# KiCad board EPSM-Famicom-rounded.kicad_pcb
title: EPSM Expansion Audio FC; date: 2023-01-01; rev: B; company: Perkka; Persune
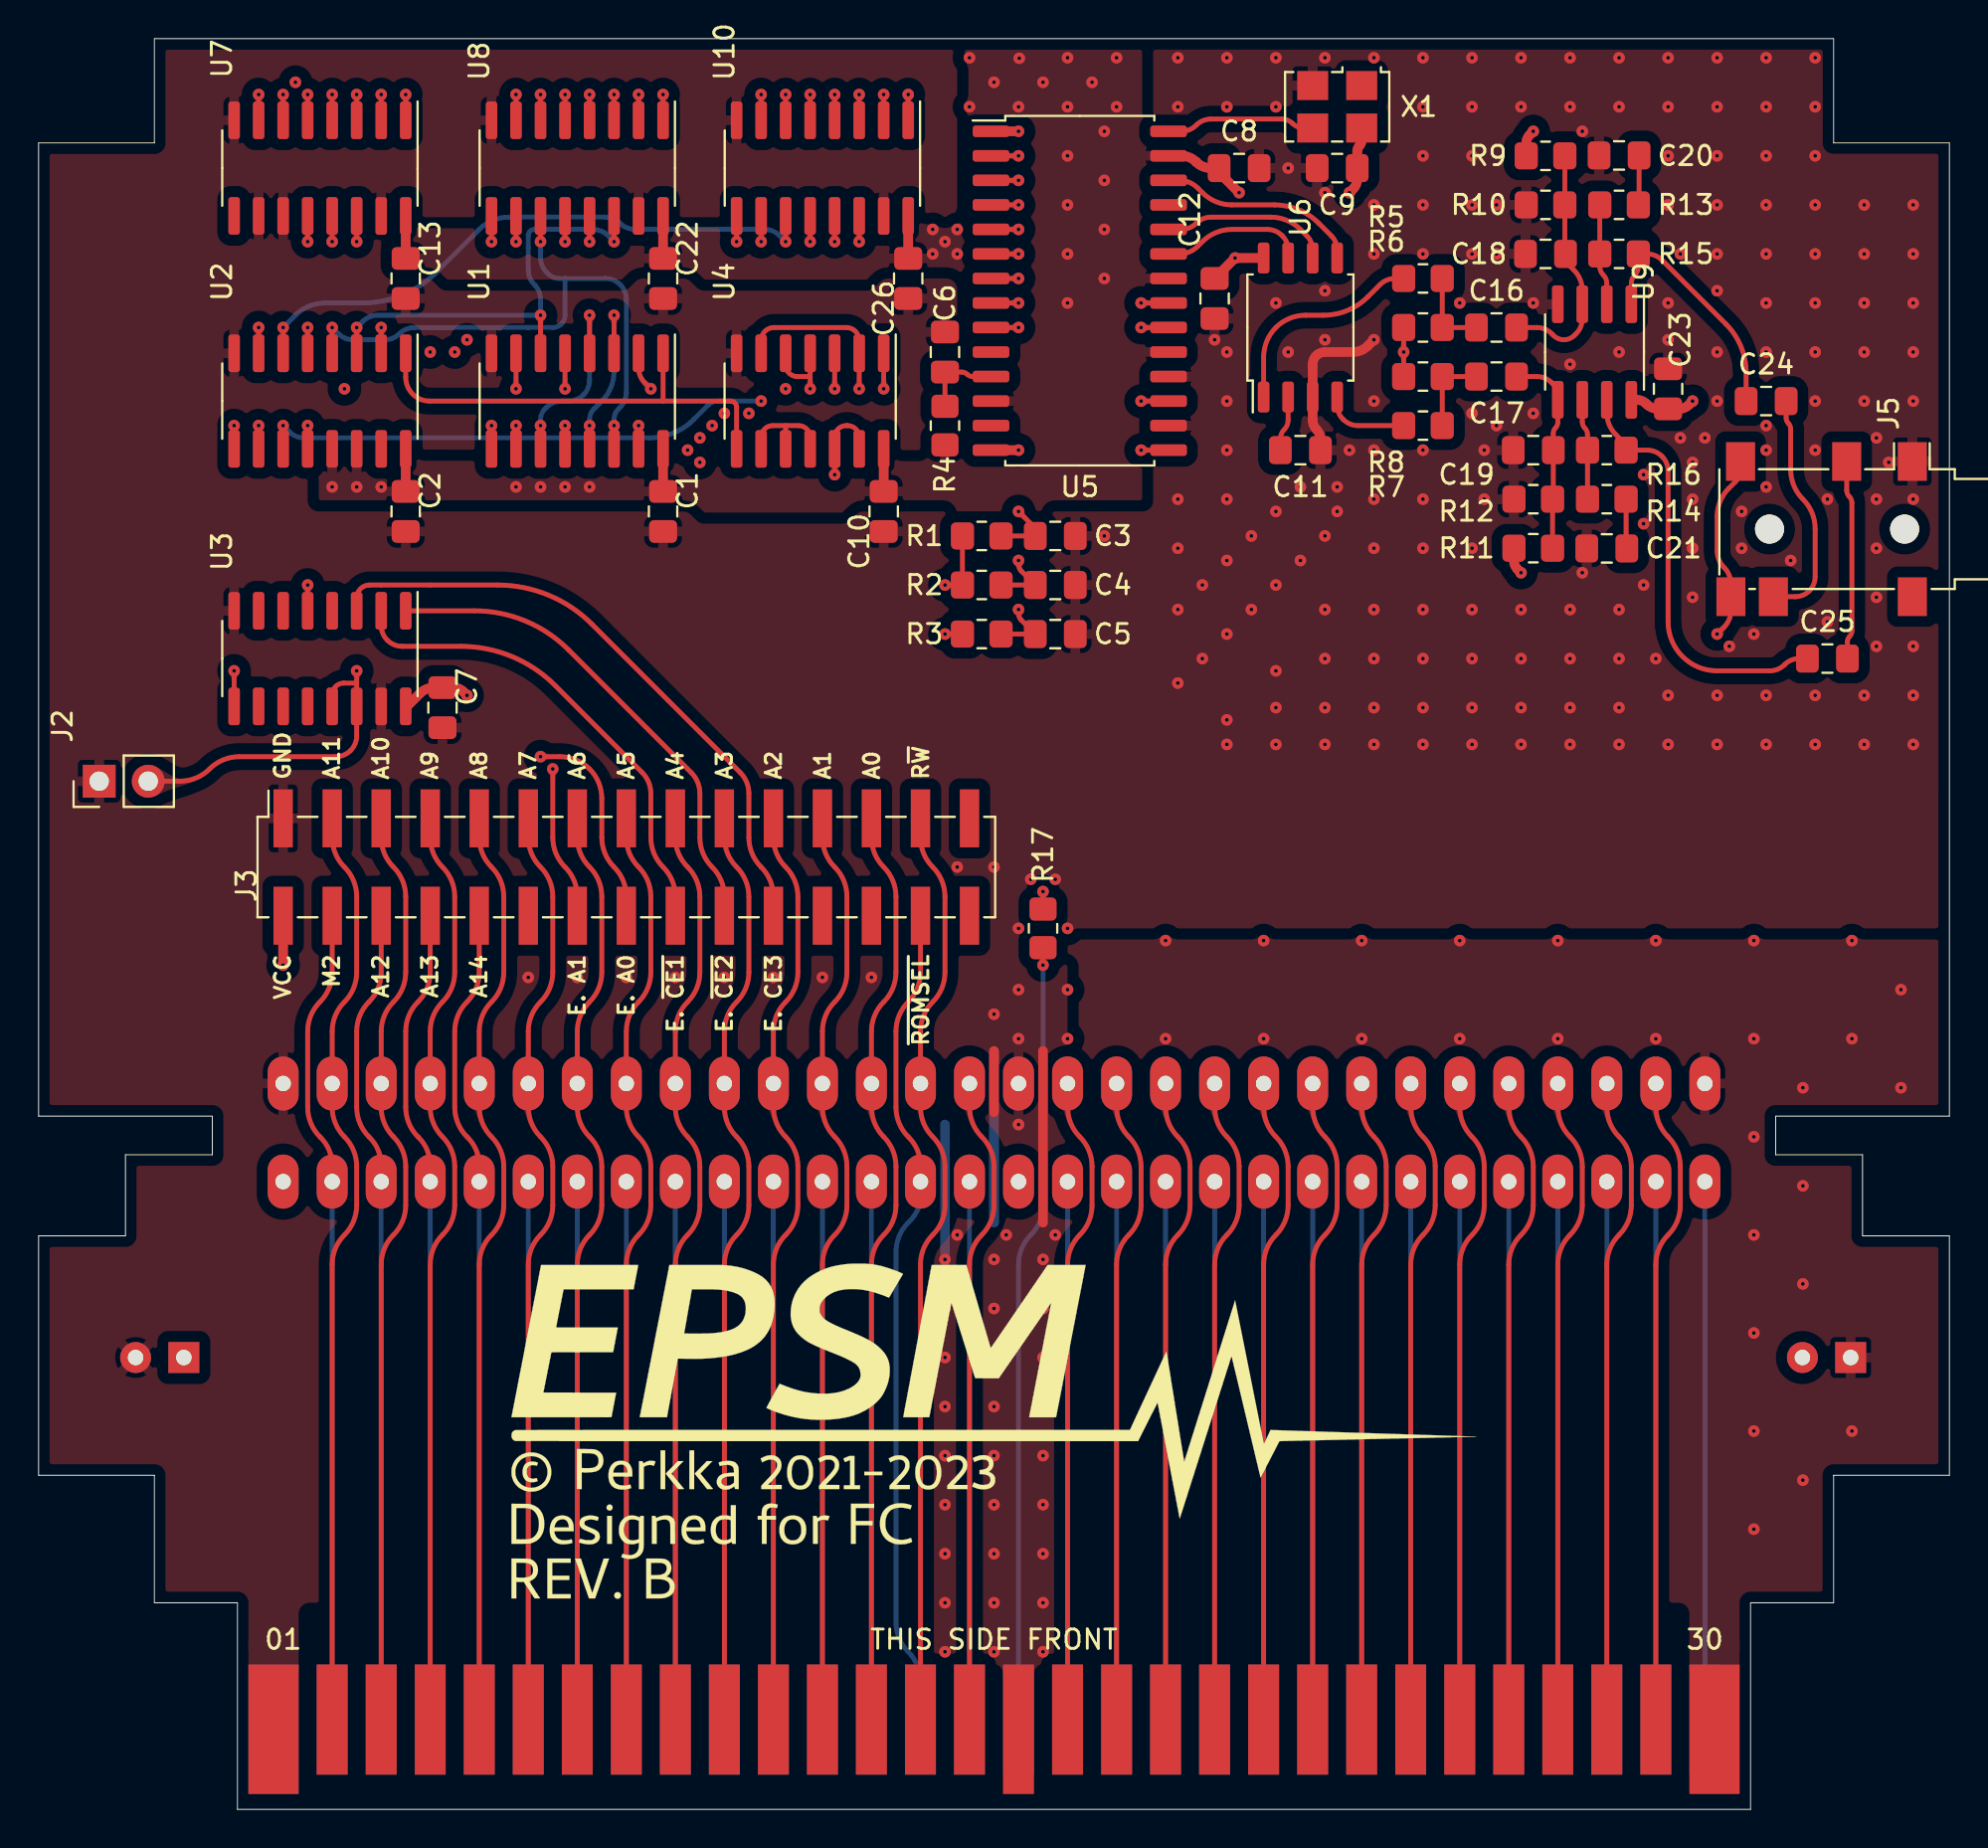
[diagram p0: board, top side]
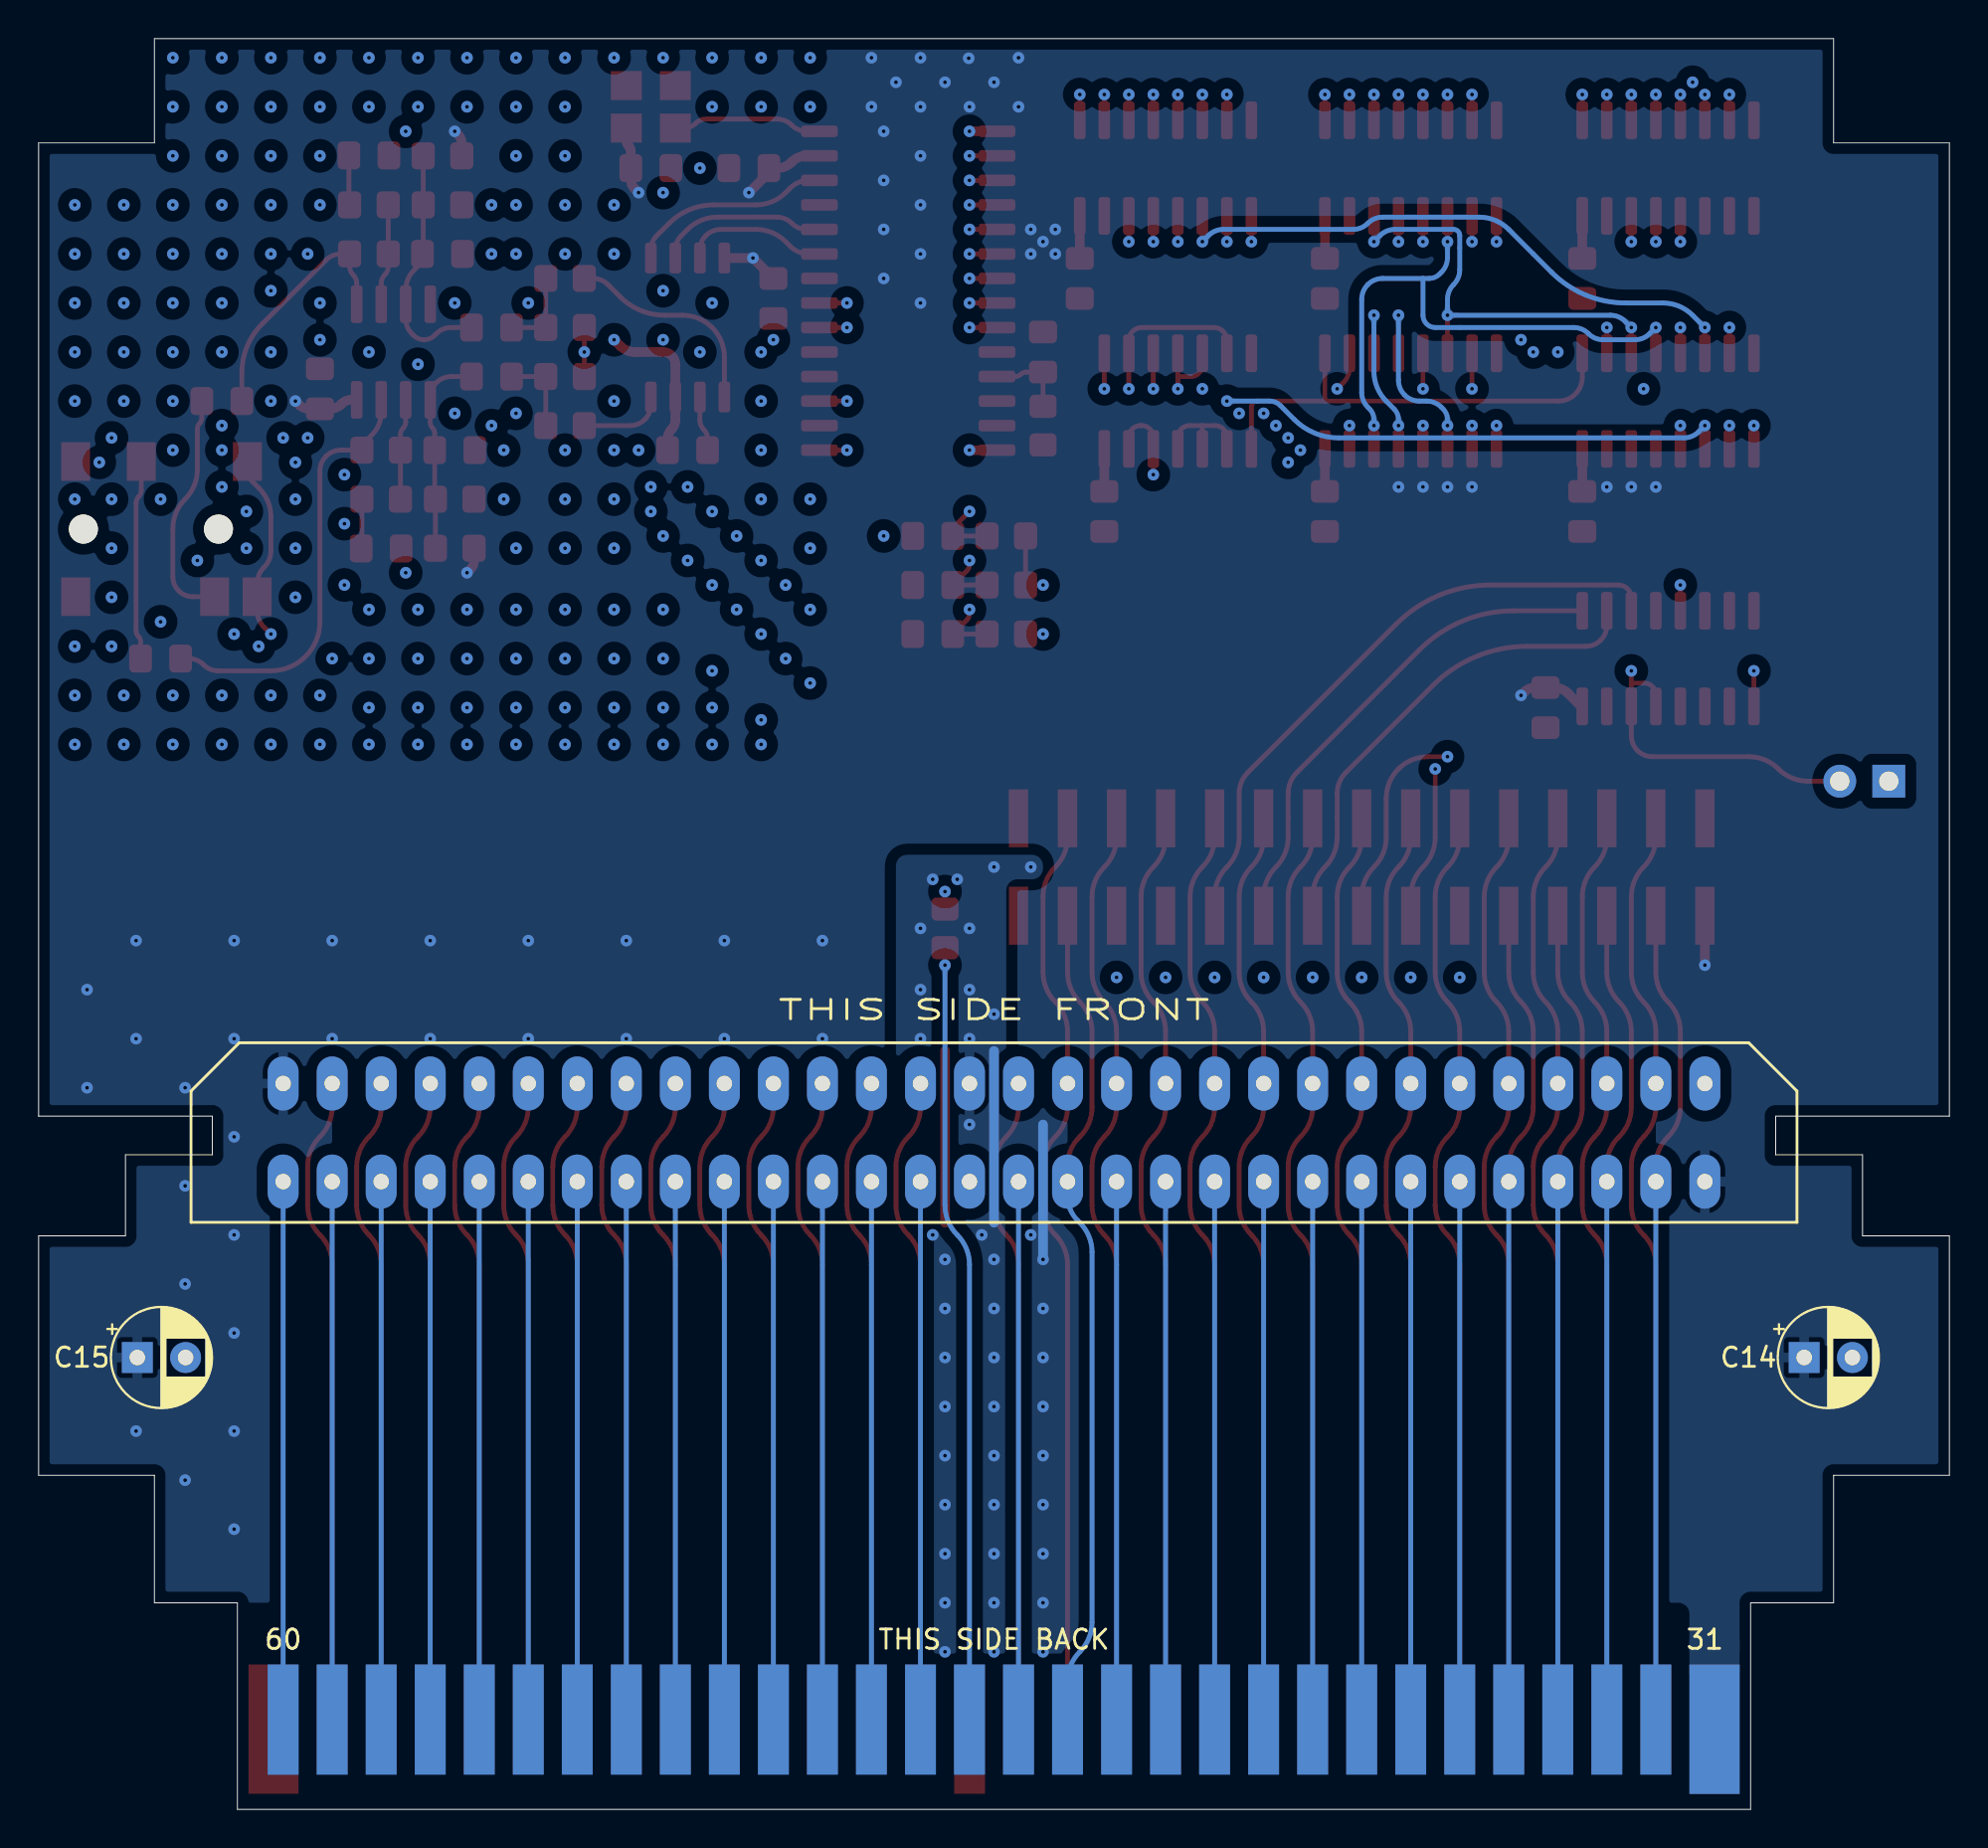
[diagram p1: board, bottom side, seen from below]

Outline 99 x 91.7 mm; copper layers: Top, In1.Cu, In2.Cu, Bottom. Coordinates in mm from the lower left corner of the outline.
Outline path: 0,86.3 6,86.3 6,91.7 93,91.7 93,86.3 99,86.3 99,35.9 90,35.9 90,33.9 94.5,33.9 94.5,29.7 99,29.7 99,17.3 93,17.3 93,10.7 88.7,10.7 88.7,0 10.3,0 10.3,10.7 6,10.7 6,17.3 0,17.3 0,29.7 4.5,29.7 4.5,33.9 9,33.9 9,35.9 0,35.9 0,86.3
Stack: Top 0.035mm / dielectric 0.3467mm FR4 er 4.5 / In1.Cu 0.035mm / dielectric 0.3467mm FR4 er 4.5 / In2.Cu 0.035mm / dielectric 0.3467mm FR4 er 4.5 / Bottom 0.035mm

## Placement (name value [footprint] x y rotation side)
C1  0.1uF  [C_0805_2012Metric_Pad1.18x1.45mm_HandSolder]  32.36 67.21 90 top
C2  0.1uF  [C_0805_2012Metric_Pad1.18x1.45mm_HandSolder]  19.02 67.21 90 top
C3  68pF  [C_0805_2012Metric_Pad1.18x1.45mm_HandSolder]  52.68 65.94 0 top
C4  68pF  [C_0805_2012Metric_Pad1.18x1.45mm_HandSolder]  52.68 63.4 0 top
C5  68pF  [C_0805_2012Metric_Pad1.18x1.45mm_HandSolder]  52.68 60.86 0 top
C6  10uF  [C_0805_2012Metric_Pad1.18x1.45mm_HandSolder]  46.96 75.47 270 top
C7  0.1uF  [C_0805_2012Metric_Pad1.18x1.45mm_HandSolder]  20.92 57.05 90 top
C8  0.1uF  [C_0805_2012Metric_Pad1.18x1.45mm_HandSolder]  62.2 84.99 180 top
C9  68pF  [C_0805_2012Metric_Pad1.18x1.45mm_HandSolder]  67.28 84.99 180 top
C10  0.1uF  [C_0805_2012Metric_Pad1.18x1.45mm_HandSolder]  43.78 67.21 90 top
C11  10uF  [C_0805_2012Metric_Pad1.18x1.45mm_HandSolder]  65.38 70.39 0 top
C12  0.1uF  [C_0805_2012Metric_Pad1.18x1.45mm_HandSolder]  60.93 78.24 90 top
C13  0.1uF  [C_0805_2012Metric_Pad1.18x1.45mm_HandSolder]  19.02 79.28 90 top
C14  100uF  [CP_Radial_D5.0mm_P2.50mm]  7.53 23.4 180 bottom
C15  100uF  [CP_Radial_D5.0mm_P2.50mm]  93.89 23.4 180 bottom
C16  10uF  [C_0805_2012Metric_Pad1.18x1.45mm_HandSolder]  75.53 76.74 0 top
C17  10uF  [C_0805_2012Metric_Pad1.18x1.45mm_HandSolder]  75.53 74.2 0 top
C18  68pF  [C_0805_2012Metric_Pad1.18x1.45mm_HandSolder]  78.07 80.55 180 top
C19  68pF  [C_0805_2012Metric_Pad1.18x1.45mm_HandSolder]  77.44 70.39 180 top
C20  10uF  [C_0805_2012Metric_Pad1.18x1.45mm_HandSolder]  81.88 85.65 0 top
C21  10uF  [C_0805_2012Metric_Pad1.18x1.45mm_HandSolder]  81.25 65.3 0 top
C22  0.1uF  [C_0805_2012Metric_Pad1.18x1.45mm_HandSolder]  32.36 79.28 90 top
C23  0.1uF  [C_0805_2012Metric_Pad1.18x1.45mm_HandSolder]  84.43 73.56 270 top
C24  10uF  [C_0805_2012Metric_Pad1.18x1.45mm_HandSolder]  89.5 72.93 0 top
C25  10uF  [C_0805_2012Metric_Pad1.18x1.45mm_HandSolder]  92.68 59.59 0 top
C26  0.1uF  [C_0805_2012Metric_Pad1.18x1.45mm_HandSolder]  45.06 79.28 90 top
J1  CARTRIDGE_F  [FC_CONN_F]  49.5 35.05 0 bottom
J2  OUT_1  [PinHeader_1x02_P2.54mm_Vertical]  3.14 53.24 90 top
J3  EPSM_ADDRESSING  [PinSocket_2x15_P2.54mm_Vertical_SMD]  30.45 48.8 90 top
J4  CONSOLE_M  [HVC-ETROM-01]  49.5 10.7 0 top
J5  AudioJack4_SwitchTR1  [Jack_3.5mm_PJ311_Horizontal]  99.28 66.3 270 top
R1  1K  [R_0805_2012Metric_Pad1.20x1.40mm_HandSolder]  48.86 65.94 0 top
R2  3K  [R_0805_2012Metric_Pad1.20x1.40mm_HandSolder]  48.86 63.4 0 top
R3  1K  [R_0805_2012Metric_Pad1.20x1.40mm_HandSolder]  48.86 60.86 0 top
R4  1K  [R_0805_2012Metric_Pad1.20x1.40mm_HandSolder]  46.96 71.66 90 top
R5  680  [R_0805_2012Metric_Pad1.20x1.40mm_HandSolder]  71.72 79.28 180 top
R6  3K  [R_0805_2012Metric_Pad1.20x1.40mm_HandSolder]  71.72 76.74 180 top
R7  680  [R_0805_2012Metric_Pad1.20x1.40mm_HandSolder]  71.72 71.66 180 top
R8  3K  [R_0805_2012Metric_Pad1.20x1.40mm_HandSolder]  71.72 74.2 180 top
R9  47K  [R_0805_2012Metric_Pad1.20x1.40mm_HandSolder]  78.07 85.63 0 top
R10  47K  [R_0805_2012Metric_Pad1.20x1.40mm_HandSolder]  78.07 83.09 180 top
R11  47K  [R_0805_2012Metric_Pad1.20x1.40mm_HandSolder]  77.44 65.31 0 top
R12  47K  [R_0805_2012Metric_Pad1.20x1.40mm_HandSolder]  77.44 67.85 180 top
R13  8.2K  [R_0805_2012Metric_Pad1.20x1.40mm_HandSolder]  81.88 83.09 180 top
R14  8.2K  [R_0805_2012Metric_Pad1.20x1.40mm_HandSolder]  81.25 67.85 180 top
R15  22K  [R_0805_2012Metric_Pad1.20x1.40mm_HandSolder]  81.88 80.55 0 top
R16  22K  [R_0805_2012Metric_Pad1.20x1.40mm_HandSolder]  81.25 70.39 0 top
R17  1K  [R_0805_2012Metric_Pad1.20x1.40mm_HandSolder]  52.04 45.62 270 top
Ref**  Val**  [EPSM_silkscreen]  49.5 19.59 0 top
U1  74LS174  [SOIC-16_3.9x9.9mm_P1.27mm]  27.91 72.93 270 top
U2  74LS174  [SOIC-16_3.9x9.9mm_P1.27mm]  14.58 72.93 270 top
U3  74LS139  [SOIC-16_3.9x9.9mm_P1.27mm]  14.58 59.59 270 top
U4  74LS132  [SOIC-14_3.9x8.7mm_P1.27mm]  39.97 72.93 270 top
U5  YMF288  [SOP-28_7.5x12.8mm_P1.27mm]  53.94 78.64 0 top
U6  BU9480F  [SOIC-8_5.275x5.275mm_P1.27mm]  65.38 76.74 90 top
U7  74LS257  [SOIC-16_3.9x9.9mm_P1.27mm]  14.58 84.99 270 top
U8  74LS257  [SOIC-16_3.9x9.9mm_P1.27mm]  27.91 84.99 270 top
U9  LM358  [SOIC-8_3.9x4.9mm_P1.27mm]  80.62 75.47 270 top
U10  74LS257  [SOIC-16_3.9x9.9mm_P1.27mm]  40.61 84.99 270 top
X1  SG-8002CA  [Oscillator_SMD_SeikoEpson_SG8002LB-4Pin_5.0x3.2mm]  67.28 88.17 180 top

## Footprints (pads in the part's own frame, mm; a bottom-side part is the same pattern mirrored in y, then rotated)
C_0805_2012Metric_Pad1.18x1.45mm_HandSolder
  rrect 1.175x1.45 smd: 1(-1.038,0) 2(1.038,0)
CP_Radial_D5.0mm_P2.50mm
  rect 1.6x1.6 hole 0.8: 1(0,0)
  round 1.6 hole 0.8: 2(2.5,0)
FC_CONN_F
  oval 1.6x2.8 hole 0.8: 1(-36.83,-2.54) 2(-34.29,-2.54) 3(-31.75,-2.54) 4(-29.21,-2.54) 5(-26.67,-2.54) 6(-24.13,-2.54) 7(-21.59,-2.54) 8(-19.05,-2.54) 9(-16.51,-2.54) 10(-13.97,-2.54) 11(-11.43,-2.54) 12(-8.89,-2.54) 13(-6.35,-2.54) 14(-3.81,-2.54) 15(-1.27,-2.54) 16(1.27,-2.54) 17(3.81,-2.54) 18(6.35,-2.54) 19(8.89,-2.54) 20(11.43,-2.54) 21(13.97,-2.54) 22(16.51,-2.54) 23(19.05,-2.54) 24(21.59,-2.54) 25(24.13,-2.54) 26(26.67,-2.54) 27(29.21,-2.54) 28(31.75,-2.54) 29(34.29,-2.54) 30(36.83,-2.54) 31(-36.83,2.54) 32(-34.29,2.54) 33(-31.75,2.54) 34(-29.21,2.54) 35(-26.67,2.54) 36(-24.13,2.54) 37(-21.59,2.54) 38(-19.05,2.54) 39(-16.51,2.54) 40(-13.97,2.54) 41(-11.43,2.54) 42(-8.89,2.54) 43(-6.35,2.54) 44(-3.81,2.54) 45(-1.27,2.54) 46(1.27,2.54) 47(3.81,2.54) 48(6.35,2.54) 49(8.89,2.54) 50(11.43,2.54) 51(13.97,2.54) 52(16.51,2.54) 53(19.05,2.54) 54(21.59,2.54) 55(24.13,2.54) 56(26.67,2.54) 57(29.21,2.54) 58(31.75,2.54) 59(34.29,2.54) 60(36.83,2.54)
HVC-ETROM-01
  rect 2.6x6.7 smd: 1(-37.33,-6.55) 30(37.33,-6.55)
  rect 1.6x5.7 smd: 2(-34.29,-6.05) 3(-31.75,-6.05) 4(-29.21,-6.05) 5(-26.67,-6.05) 6(-24.13,-6.05) 7(-21.59,-6.05) 8(-19.05,-6.05) 9(-16.51,-6.05) 10(-13.97,-6.05) 11(-11.43,-6.05) 12(-8.89,-6.05) 13(-6.35,-6.05) 14(-3.81,-6.05) 15(-1.27,-6.05) 17(3.81,-6.05) 18(6.35,-6.05) 19(8.89,-6.05) 20(11.43,-6.05) 21(13.97,-6.05) 22(16.51,-6.05) 23(19.05,-6.05) 24(21.59,-6.05) 25(24.13,-6.05) 26(26.67,-6.05) 27(29.21,-6.05) 28(31.75,-6.05) 29(34.29,-6.05)
  rect 1.6x6.7 smd: 16(1.27,-6.55)
  rect 2.6x6.7 smd far side: 31(-37.33,-6.55)
  rect 1.6x5.7 smd far side: 32(-34.29,-6.05) 33(-31.75,-6.05) 34(-29.21,-6.05) 35(-26.67,-6.05) 36(-24.13,-6.05) 37(-21.59,-6.05) 38(-19.05,-6.05) 39(-16.51,-6.05) 40(-13.97,-6.05) 41(-11.43,-6.05) 42(-8.89,-6.05) 43(-6.35,-6.05) 44(-3.81,-6.05) 45(-1.27,-6.05) 46(1.27,-6.05) 47(3.81,-6.05) 48(6.35,-6.05) 49(8.89,-6.05) 50(11.43,-6.05) 51(13.97,-6.05) 52(16.51,-6.05) 53(19.05,-6.05) 54(21.59,-6.05) 55(24.13,-6.05) 56(26.67,-6.05) 57(29.21,-6.05) 58(31.75,-6.05) 59(34.29,-6.05) 60(36.83,-6.05)
Jack_3.5mm_PJ311_Horizontal
  round 1.5 hole 1.5 unplated: (0,-2.6) (0,-9.6)
  rect 2x1.5 smd: R1(-3.5,-5.6) R1N(-3.5,-11.1) R2(3.5,-2.2) S(-3.5,-2.2) T(3.5,-9.4) TN(3.5,-11.6)
Oscillator_SMD_SeikoEpson_SG8002LB-4Pin_5.0x3.2mm
  rect 1.6x1.5 smd: 1(-1.27,-1.1) 2(1.27,-1.1) 3(1.27,1.1) 4(-1.27,1.1)
PinHeader_1x02_P2.54mm_Vertical
  rect 1.7x1.7 hole 1: 1(0,0)
  oval 1.7x1.7 hole 1: 2(0,-2.54)
PinSocket_2x15_P2.54mm_Vertical_SMD
  rect 3x1 smd: 1(2.52,17.78) 2(-2.52,17.78) 3(2.52,15.24) 4(-2.52,15.24) 5(2.52,12.7) 6(-2.52,12.7) 7(2.52,10.16) 8(-2.52,10.16) 9(2.52,7.62) 10(-2.52,7.62) 11(2.52,5.08) 12(-2.52,5.08) 13(2.52,2.54) 14(-2.52,2.54) 15(2.52,0) 16(-2.52,0) 17(2.52,-2.54) 18(-2.52,-2.54) 19(2.52,-5.08) 20(-2.52,-5.08) 21(2.52,-7.62) 22(-2.52,-7.62) 23(2.52,-10.16) 24(-2.52,-10.16) 25(2.52,-12.7) 26(-2.52,-12.7) 27(2.52,-15.24) 28(-2.52,-15.24) 29(2.52,-17.78) 30(-2.52,-17.78)
R_0805_2012Metric_Pad1.20x1.40mm_HandSolder
  rrect 1.2x1.4 smd: 1(-1,0) 2(1,0)
SOIC-8_3.9x4.9mm_P1.27mm
  rrect 1.95x0.6 smd: 1(-2.475,1.905) 2(-2.475,0.635) 3(-2.475,-0.635) 4(-2.475,-1.905) 5(2.475,-1.905) 6(2.475,-0.635) 7(2.475,0.635) 8(2.475,1.905)
SOIC-8_5.275x5.275mm_P1.27mm
  rrect 1.6x0.6 smd: 1(-3.6,1.905) 2(-3.6,0.635) 3(-3.6,-0.635) 4(-3.6,-1.905) 5(3.6,-1.905) 6(3.6,-0.635) 7(3.6,0.635) 8(3.6,1.905)
SOIC-14_3.9x8.7mm_P1.27mm
  rrect 1.95x0.6 smd: 1(-2.475,3.81) 2(-2.475,2.54) 3(-2.475,1.27) 4(-2.475,0) 5(-2.475,-1.27) 6(-2.475,-2.54) 7(-2.475,-3.81) 8(2.475,-3.81) 9(2.475,-2.54) 10(2.475,-1.27) 11(2.475,0) 12(2.475,1.27) 13(2.475,2.54) 14(2.475,3.81)
SOIC-16_3.9x9.9mm_P1.27mm
  rrect 1.95x0.6 smd: 1(-2.475,4.445) 2(-2.475,3.175) 3(-2.475,1.905) 4(-2.475,0.635) 5(-2.475,-0.635) 6(-2.475,-1.905) 7(-2.475,-3.175) 8(-2.475,-4.445) 9(2.475,-4.445) 10(2.475,-3.175) 11(2.475,-1.905) 12(2.475,-0.635) 13(2.475,0.635) 14(2.475,1.905) 15(2.475,3.175) 16(2.475,4.445)
SOP-28_7.5x12.8mm_P1.27mm
  rrect 1.9x0.6 smd: 1(-4.6,8.255) 2(-4.6,6.985) 3(-4.6,5.715) 4(-4.6,4.445) 5(-4.6,3.175) 6(-4.6,1.905) 7(-4.6,0.635) 8(-4.6,-0.635) 9(-4.6,-1.905) 10(-4.6,-3.175) 11(-4.6,-4.445) 12(-4.6,-5.715) 13(-4.6,-6.985) 14(-4.6,-8.255) 15(4.6,-8.255) 16(4.6,-6.985) 17(4.6,-5.715) 18(4.6,-4.445) 19(4.6,-3.175) 20(4.6,-1.905) 21(4.6,-0.635) 22(4.6,0.635) 23(4.6,1.905) 24(4.6,3.175) 25(4.6,4.445) 26(4.6,5.715) 27(4.6,6.985) 28(4.6,8.255)

## Nets
/GND: C1.1 C2.1 C3.2 C4.2 C5.2 C6.1 C7.1 C8.1 C9.2 C10.1 C11.2 C12.1 C13.1 C14.2 C15.2 C18.2 C19.2 C20.1 C21.1 C22.1 C23.1 C26.1 J1.1 J1.16 J2.1 J3.1 J4.1 J4.16 J5.S R10.2 R12.2 U1.8 U2.8 U3.8 U3.15 U4.7 U5.1 U5.14 U5.16 U5.18 U6.3 U7.8 U7.10 U7.11 U7.15 U8.8 U8.15 U9.4 U10.8 U10.15 X1.2
/VCC: C1.2 C2.2 C7.2 C8.2 C9.1 C10.2 C12.2 C13.2 C14.1 C15.1 C22.2 C23.2 C26.2 J1.30 J1.31 J3.2 J4.30 J4.31 R4.1 R9.1 R11.1 U1.16 U2.13 U2.14 U2.16 U3.16 U4.14 U5.12 U5.19 U5.22 U5.27 U6.8 U7.16 U8.16 U9.8 U10.16 X1.4
/$4016_EN: R1.1 R2.1 U2.12 U7.1 U8.1 U10.1
/AUD_2A03: J1.45 J4.45
/AUD_EPSM: J4.46 R17.2
/AUD_RF: J1.46 R6.2 R8.2
/BUF_A0: U2.7 U7.3
/BUF_A1: U2.10 U7.6
/BUF_CS: U4.3 U7.14
/BUF_D0: U1.2 U10.3
/BUF_D1: U1.5 U10.6
/BUF_D2: U1.7 U10.13
/BUF_D3: U1.15 U10.10
/BUF_D4: U1.12 U8.3
/BUF_D5: U1.10 U8.6
/BUF_D6: U2.2 U8.13
/BUF_D7: U2.5 U8.10
/CIRAM_A10: J1.18 J4.18
/CIRAM_~{CE}: J1.48 J4.48
/CPU_A0: J1.13 J3.25 J4.13
/CPU_A1: J1.12 J3.23 J4.12
/CPU_A2: J1.11 J3.21 J4.11
/CPU_A3: J1.10 J3.19 J4.10
/CPU_A4: J1.9 J3.17 J4.9
/CPU_A5: J1.8 J3.15 J4.8
/CPU_A6: J1.7 J3.13 J4.7
/CPU_A7: J1.6 J3.11 J4.6
/CPU_A8: J1.5 J3.9 J4.5
/CPU_A9: J1.4 J3.7 J4.4
/CPU_A10: J1.3 J3.5 J4.3
/CPU_A11: J1.2 J3.3 J4.2
/CPU_A12: J1.33 J3.6 J4.33
/CPU_A13: J1.34 J3.8 J4.34
/CPU_A14: J1.35 J3.10 J4.35
/CPU_D0: J1.43 J4.43 U10.2
/CPU_D1: J1.42 J4.42 U10.5
/CPU_D2: J1.41 J4.41 U2.11 U10.14
/CPU_D3: J1.40 J4.40 U2.6 U10.11
/CPU_D4: J1.39 J4.39 U1.3 U1.13 U8.2
/CPU_D5: J1.38 J4.38 U1.4 U1.11 U8.5
/CPU_D6: J1.37 J4.37 U1.6 U2.3 U8.14
/CPU_D7: J1.36 J4.36 U1.14 U2.4 U8.11
/CPU_R~{W}: J1.14 J3.27 J4.14
/EPSM_A0: J3.16 U7.5
/EPSM_A1: J3.14 U7.2
/EPSM_CE3: J3.22 U3.3
/EPSM_~{CE1}: J3.18 U3.2
/EPSM_~{CE2}: J3.20 U3.1
/FF_RESET: U1.1 U2.1 U4.8
/M2: J1.32 J3.4 J4.32
/OUT_1: J2.2 U1.9 U3.13 U3.14
/PPU_A0: J1.25 J4.25
/PPU_A1: J1.24 J4.24
/PPU_A2: J1.23 J4.23
/PPU_A3: J1.22 J4.22
/PPU_A4: J1.21 J4.21
/PPU_A5: J1.20 J4.20
/PPU_A6: J1.19 J4.19
/PPU_A7: J1.50 J4.50
/PPU_A8: J1.51 J4.51
/PPU_A9: J1.52 J4.52
/PPU_A10: J1.53 J4.53
/PPU_A11: J1.54 J4.54
/PPU_A12: J1.55 J4.55
/PPU_A13: J1.56 J4.56
/PPU_D0: J1.26 J4.26
/PPU_D1: J1.27 J4.27
/PPU_D2: J1.28 J4.28
/PPU_D3: J1.29 J4.29
/PPU_D4: J1.60 J4.60
/PPU_D5: J1.59 J4.59
/PPU_D6: J1.58 J4.58
/PPU_D7: J1.57 J4.57
/PPU_~{A13}: J1.49 J4.49
/PPU_~{RD}: J1.17 J4.17
/PPU_~{WR}: J1.47 J4.47
/YM_A0: U5.20 U7.7
/YM_A1: U5.21 U7.4
/YM_CS: U5.17 U7.12
/YM_D0: U5.2 U10.4
/YM_D1: U5.3 U10.7
/YM_D2: U5.4 U10.12
/YM_D3: U5.5 U10.9
/YM_D4: U5.6 U8.4
/YM_D5: U5.7 U8.7
/YM_D6: U5.8 U8.12
/YM_D7: U5.9 U8.9
/~{CS}: U3.5 U7.13
/~{IRQ}: J1.15 J4.15 U5.15
/~{OUT_1}: U2.9 U3.9
/~{ROMSEL}: J1.44 J3.28 J4.44
Net-(C3-Pad1): C3.1 R1.2 U4.1
Net-(C4-Pad1): C4.1 R2.2 U4.4 U4.5
Net-(C5-Pad1): C5.1 R3.2 U4.12 U4.13
Net-(C6-Pad2): C6.2 R4.2 U5.11
Net-(C11-Pad1): C11.1 U6.2
Net-(C16-Pad1): C16.1 R5.1 R6.1
Net-(C16-Pad2): C16.2 C18.1 R9.2 R10.1 U9.3
Net-(C17-Pad1): C17.1 R7.1 R8.1
Net-(C17-Pad2): C17.2 C19.1 R11.2 R12.1 U9.5
Net-(C20-Pad2): C20.2 R13.1
Net-(C21-Pad2): C21.2 R14.1
Net-(C24-Pad1): C24.1 R15.2 U9.1
Net-(C24-Pad2): C24.2 J5.T
Net-(C25-Pad1): C25.1 R16.2 U9.7
Net-(C25-Pad2): C25.2 J5.R1
Net-(J5-PadR1N): J5.R1N J5.TN R17.1
Net-(R3-Pad1): R3.1 U4.2 U4.6
Net-(R5-Pad2): R5.2 U6.1
Net-(R7-Pad2): R7.2 U6.4
Net-(R13-Pad2): R13.2 R15.1 U9.2
Net-(R14-Pad2): R14.2 R16.1 U9.6
Net-(U4-Pad10): U4.9 U4.10 U4.11
Net-(U5-Pad23): U5.23 U6.7
Net-(U5-Pad24): U5.24 U6.6
Net-(U5-Pad26): U5.26 U6.5
Net-(U5-Pad28): U5.28 X1.3

Pads without a net: J3 12 24 26 29 30; J5 R2; U2 15; U3 4 6 7 10 11 12; U5 10 13 25; U7 9; X1 1

## Via types
v1: diameter 0.6, hole 0.2, Top to Bottom, 414 vias

## Routing (per net, layer and track width the routed paths; a pad name or vN(x,y) marks a point on that pad's centre or on a via; arc(x,y) is an arc through that point)
/GND: length 51.8
  Top w0.5: C11.2 66.41,70.97 arc(66.36,71.24) 66.21,71.46 arc(66.06,71.68) 66.01,71.94 66.01,74.83 arc(66.2,75.28) 66.65,75.47 68.1,75.47 arc(68.52,75.55) 68.87,75.79 v1(69.19,76.1) ; 52.04,39.27 52.04,30.38 ; 49.5,39.27 49.5,36.1 ; v1(50.77,86.9) U5.1 ; v1(50.77,70.39) U5.14
  In2.Cu w0.5: 49.5,39.27 49.5,35.46 ; 52.04,39.27 52.04,30.38
  Bottom w0.5: v1(46.96,28.48) 46.96,35.46 ; 49.5,39.27 49.5,30.38
  vias: v1(25.37,43.08) v1(27.91,43.08) v1(30.45,43.08) v1(32.99,43.08) v1(35.53,43.08) v1(38.07,43.08) v1(40.61,43.08) v1(43.15,43.08) v1(46.96,25.94) v1(46.96,23.4) v1(46.96,20.86) v1(46.96,18.32) v1(46.96,15.78) v1(46.96,13.24) v1(46.96,10.7) v1(46.96,8.16) v1(47.59,48.8) v1(47.59,29.75) v1(49.5,48.8) v1(49.5,41.18) v1(49.5,28.48) v1(49.5,25.94) v1(49.5,23.4) v1(49.5,20.86) v1(49.5,18.32) v1(49.5,15.78) v1(49.5,13.24) v1(49.5,10.7) v1(49.5,8.16) v1(50.14,29.75) v1(50.77,45.62) v1(50.77,42.45) v1(50.77,39.91) v1(50.77,35.46) v1(51.41,48.16) v1(52.04,28.48) v1(52.04,25.94) v1(52.04,23.4) v1(52.04,20.86) v1(52.04,18.32) v1(52.04,15.78) v1(52.04,13.24) v1(52.04,10.7) v1(52.04,8.16) v1(52.68,48.16) v1(52.68,29.75) v1(53.31,45.62) v1(53.31,42.45) v1(53.31,39.91) v1(55.22,65.94) v1(59.03,90.71) v1(59.03,88.17) v1(59.03,67.85) v1(59.03,65.31) v1(59.03,62.13) v1(59.03,58.32) v1(60.29,63.4) v1(60.29,59.59) v1(60.93,76.1) v1(61.56,90.71) v1(61.56,88.17) v1(61.56,75.47) v1(61.56,72.93) v1(61.56,70.39) v1(61.56,67.85) v1(61.56,64.67) v1(61.56,60.86) v1(61.56,56.42) v1(61.56,55.15) v1(62.84,65.94) v1(62.84,62.13) v1(64.1,90.71) v1(64.1,88.17) v1(64.1,78.01) v1(64.1,67.21) v1(64.1,63.4) v1(64.1,58.96) v1(64.1,57.05) v1(64.1,55.15) v1(64.74,84.99) v1(64.74,75.47) v1(65.38,68.48) v1(65.38,64.67) v1(66.65,90.71) v1(66.65,83.72) v1(66.65,78.64) v1(66.65,76.1) v1(66.65,65.94) v1(66.65,62.13) v1(66.65,59.59) v1(66.65,57.05) v1(66.65,55.15) v1(67.28,68.48) v1(67.28,67.21) v1(67.91,70.39) v1(69.19,90.71) v1(69.19,83.09) v1(69.19,80.55) v1(69.19,72.93) v1(69.19,70.39) v1(69.19,67.85) v1(69.19,65.31) v1(69.19,62.13) v1(69.19,59.59) v1(69.19,57.05) v1(69.19,55.15) v1(71.72,90.71) v1(71.72,88.17) v1(71.72,85.63) v1(71.72,83.09) v1(71.72,80.55) v1(71.72,70.39) v1(71.72,67.85) v1(71.72,65.31) v1(71.72,62.13) v1(71.72,59.59) v1(71.72,57.05) v1(71.72,55.15) v1(73.63,78.01) v1(74.26,90.71) v1(74.26,88.17) v1(74.26,85.63) v1(74.26,83.09) v1(74.26,80.55) v1(74.26,72.29) v1(74.26,65.31) v1(74.26,62.13) v1(74.26,59.59) v1(74.26,57.05) v1(74.26,55.15) v1(74.9,70.39) v1(74.9,67.85) v1(75.53,83.09) v1(75.53,80.55) v1(75.53,71.66) v1(76.81,90.71) v1(76.81,88.17) v1(76.81,62.13) v1(76.81,59.59) v1(76.81,57.05) v1(76.81,55.15) v1(77.44,78.01) v1(77.44,72.29) v1(79.34,90.71) v1(79.34,88.17) v1(79.34,74.83) v1(79.34,62.13) v1(79.34,59.59) v1(79.34,57.05) v1(79.34,55.15) v1(79.98,86.9) v1(79.98,64.04) v1(81.88,90.71) v1(81.88,88.17) v1(81.88,75.47) v1(81.88,62.13) v1(81.88,59.59) v1(81.88,57.05) v1(81.88,55.15) v1(83.16,69.12) v1(83.16,66.58) v1(83.16,63.4) v1(83.79,59.59) v1(84.43,90.71) v1(84.43,88.17) v1(84.43,85.63) v1(84.43,83.09) v1(84.43,78.01) v1(84.43,76.1) v1(84.43,57.69) v1(84.43,55.15) v1(85.06,80.55) v1(85.06,71.02) v1(85.69,69.75) v1(85.69,67.85) v1(85.69,65.31) v1(85.69,62.77) v1(86.33,71.02) v1(86.97,90.71) v1(86.97,88.17) v1(86.97,85.63) v1(86.97,83.09) v1(86.97,80.55) v1(86.97,78.64) v1(86.97,75.47) v1(86.97,72.93) v1(86.97,57.69) v1(86.97,55.15) v1(87.6,60.23) v1(88.24,67.21) v1(88.24,65.31) v1(88.87,60.86) v1(89.5,90.71) v1(89.5,88.17) v1(89.5,85.63) v1(89.5,83.09) v1(89.5,80.55) v1(89.5,78.01) v1(89.5,75.47) v1(89.5,71.66) v1(89.5,70.39) v1(89.5,68.48) v1(89.5,57.69) v1(89.5,55.15) v1(90.78,64.67) v1(92.04,90.71) v1(92.04,88.17) v1(92.04,85.63) v1(92.04,83.09) v1(92.04,80.55) v1(92.04,78.01) v1(92.04,75.47) v1(92.04,72.93) v1(92.04,70.39) v1(92.04,57.69) v1(92.04,55.15) v1(92.68,67.85) v1(92.68,61.5) v1(94.59,83.09) v1(94.59,80.55) v1(94.59,78.01) v1(94.59,75.47) v1(94.59,72.93) v1(94.59,57.69) v1(94.59,55.15) v1(95.22,71.02) v1(95.22,67.85) v1(95.22,65.31) v1(95.22,62.77) v1(95.22,60.23) v1(95.85,69.75) v1(97.12,83.09) v1(97.12,80.55) v1(97.12,78.01) v1(97.12,75.47) v1(97.12,72.93) v1(97.12,67.85) v1(97.12,60.23) v1(97.12,57.69) v1(97.12,55.15)
/VCC: length 36.6
  Top w0.5: R9.1 77.07,86.28 arc(77.12,86.52) 77.26,86.72 v1(77.44,86.9) ; X1.4 68.55,86.43 arc(68.52,86.28) 68.43,86.15 arc(68.35,86.02) 68.32,85.87 C9.1 68.32,84.41 arc(68.27,84.15) 68.12,83.93 v1(67.91,83.72) ; R11.1 76.44,64.66 arc(76.49,64.42) 76.62,64.22 v1(76.81,64.04) ; C2.2 U2.16 ; v1(85.69,72.93) 85.49,72.73 arc(85.27,72.58) 85.01,72.53 83.89,72.53 arc(83.58,72.59) 83.32,72.76 83.29,72.79 arc(83.07,72.94) 82.81,72.99 U9.8 ; C12.2 v1(61.99,80.34) U6.8 ; v1(62.2,83.72) 61.24,84.68 arc(61.18,84.77) 61.16,84.88 arc(61.13,84.96) 61.05,84.99 60.73,84.99 arc(60.33,85.07) 59.99,85.3 59.98,85.31 arc(59.63,85.55) 59.21,85.63 U5.27 ; C10.2 U4.14 ; C26.2 U10.16 ; C1.2 32.36,70.45 ; C22.2 32.36,82.52 ; v1(22.19,57.69) 21.99,57.89 arc(21.77,58.04) 21.51,58.09 20.49,58.09 arc(20.09,58.01) 19.75,57.79 19.11,57.14 arc(19.08,57.13) 19.05,57.12 U3.16 ; v1(12.67,43.72) J3.2 ; C13.2 U7.16